# Altium PCB DIOT_Backplane.pcbdoc (part 3 of 11) (continued)
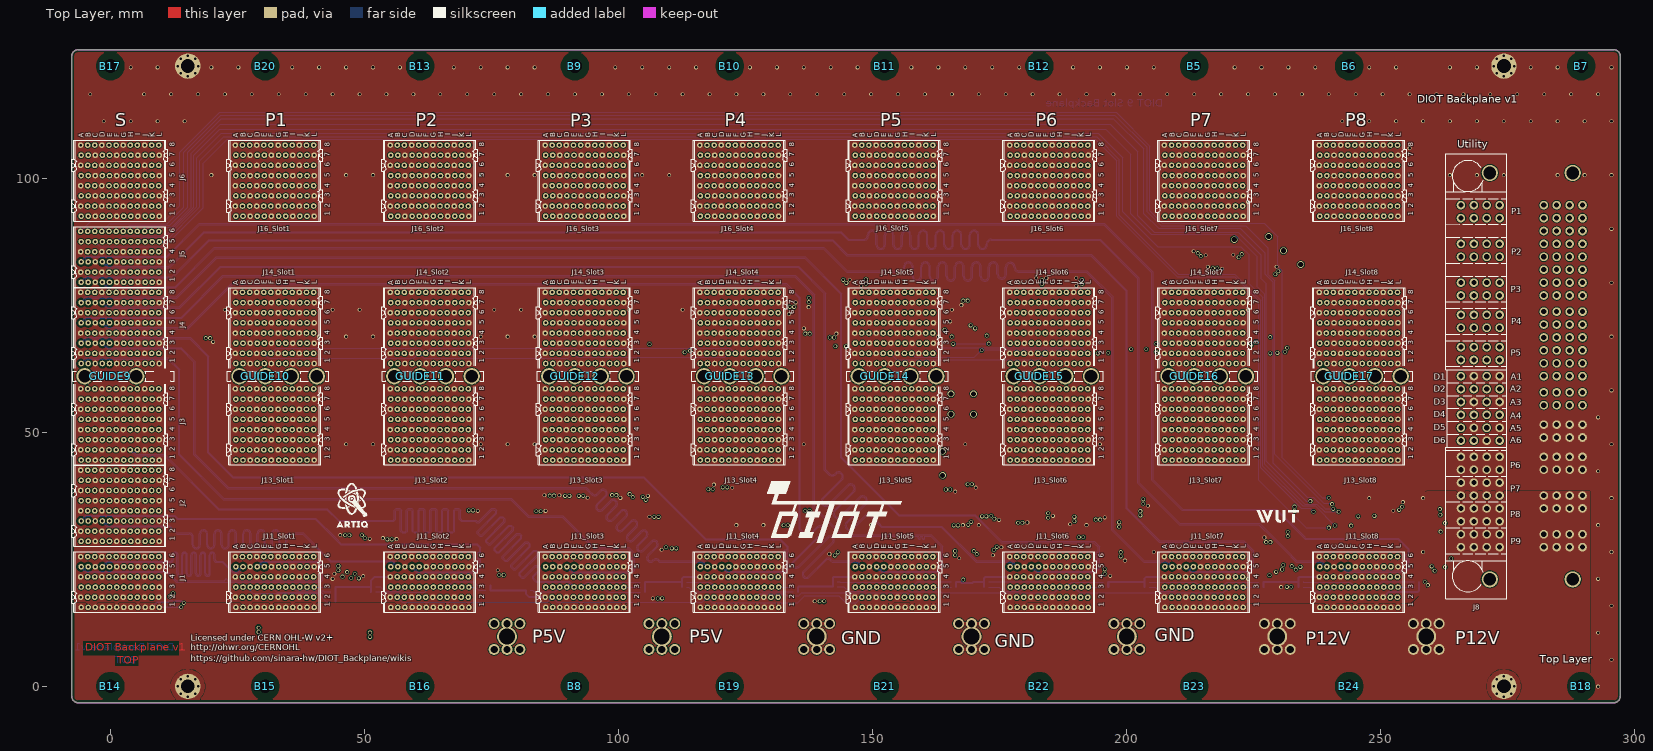
[diagram p0: Top Layer view]
## Nets (pads, with @x,y where several pads share a name; then routed paths per layer and width w, separated by ;. In a path a pad name is that pad's centre, name@x,y a point inside that pad or via, vN(x,y) a via of type N, cw(c..) or ccw(c..) an arc to the next point about the centre after c; other vN are vias at no path point) (continued)
2_DIFF_11_P: J6.B2 J16_Slot2.D1 | length 99.4
  L10 w0.102: J6.B2@-4.48,94.55 -3.895,93.965 -3.895,93.76 -3.541,93.407 18.524,93.407 20.531,95.414 40.988,95.414 41.976,95.414 42.326,95.764 42.326,96.056 42.542,96.272 42.974,96.272 43.19,96.056 43.19,92.287 43.54,91.937 44.162,91.937 44.512,92.287 44.512,96.056 44.728,96.272 45.16,96.272 45.376,96.056 45.376,92.287 45.726,91.937 46.348,91.937 46.698,92.287 46.698,96.056 46.914,96.272 47.346,96.272 47.562,96.056 47.562,92.287 47.912,91.937 48.534,91.937 48.884,92.287 48.884,96.056 49.1,96.272 49.532,96.272 49.748,96.056 49.748,92.287 50.098,91.937 50.72,91.937 51.07,92.287 51.07,95.198 51.286,95.414 51.404,95.414 51.876,95.414 52.24,95.05 52.402,94.888 53.871,93.419 59.79,93.419 59.966,93.243 59.966,93.136 J16_Slot2.D1@59.38,92.55
2_DIFF_12_N: J6.F2 J16_Slot2.B1 | length 97.2
  L4 w0.102: J6.F2@1.12,94.55 0.534,93.965 0.534,93.842 0.652,93.725 18.718,93.725 20.674,95.68 40.521,95.68 40.9,95.68 41.25,95.33 41.25,92.208 41.466,91.992 41.898,91.992 42.114,92.208 42.114,95.878 42.464,96.228 43.086,96.228 43.436,95.878 43.436,92.208 43.652,91.992 44.084,91.992 44.3,92.208 44.3,95.878 44.65,96.228 45.272,96.228 45.622,95.878 45.622,92.208 45.838,91.992 46.27,91.992 46.486,92.208 46.486,95.878 46.836,96.228 47.458,96.228 47.808,95.878 47.808,92.208 48.024,91.992 48.456,91.992 48.672,92.208 48.672,95.878 49.022,96.228 49.644,96.228 49.994,95.878 49.994,92.208 50.21,91.992 50.642,91.992 50.858,92.208 50.858,95.33 51.208,95.68 51.421,95.68 51.934,95.68 53.991,93.623 55.752,93.623 55.995,93.381 55.995,93.136 J16_Slot2.B1@56.58,92.55
2_DIFF_12_P: J6.E2 J16_Slot2.A1 | length 97.2
  L4 w0.102: J6.E2@-0.28,94.55 0.306,93.965 0.306,93.747 0.557,93.496 18.813,93.496 20.768,95.451 40.521,95.451 40.805,95.451 41.021,95.235 41.021,92.113 41.371,91.763 41.993,91.763 42.343,92.113 42.343,95.783 42.559,95.999 42.991,95.999 43.207,95.783 43.207,92.113 43.557,91.763 44.179,91.763 44.529,92.113 44.529,95.783 44.745,95.999 45.177,95.999 45.393,95.783 45.393,92.113 45.743,91.763 46.365,91.763 46.715,92.113 46.715,95.783 46.931,95.999 47.363,95.999 47.579,95.783 47.579,92.113 47.929,91.763 48.551,91.763 48.901,92.113 48.901,95.783 49.117,95.999 49.549,95.999 49.765,95.783 49.765,92.113 50.115,91.763 50.737,91.763 51.087,92.113 51.087,95.235 51.303,95.451 51.421,95.451 51.839,95.451 53.896,93.394 55.657,93.394 55.766,93.286 55.766,93.136 J16_Slot2.A1@55.18,92.55
2_DIFF_13_N: J6.I2 J16_Slot2.K1 | length 97.2
  L12 w0.102: J6.I2@5.32,94.55 4.734,95.136 4.734,95.292 4.868,95.426 40.98,95.426 41.592,95.426 41.942,95.776 41.942,95.967 42.158,96.183 42.59,96.183 42.806,95.967 42.806,91.344 43.156,90.994 43.778,90.994 44.128,91.344 44.128,95.967 44.344,96.183 44.776,96.183 44.992,95.967 44.992,91.344 45.342,90.994 45.964,90.994 46.314,91.344 46.314,95.967 46.53,96.183 46.962,96.183 47.178,95.967 47.178,91.344 47.528,90.994 48.15,90.994 48.5,91.344 48.5,95.21 48.716,95.426 48.834,95.426 49.477,95.426 54.049,90.854 68.063,90.854 68.594,91.385 68.595,91.965 J16_Slot2.K1@69.18,92.55
2_DIFF_13_P: J6.H2 J16_Slot2.J1 | length 97.2
  L12 w0.102: J6.H2@3.92,94.55 4.506,95.136 4.506,95.387 4.773,95.655 40.98,95.655 41.497,95.655 41.713,95.871 41.713,96.062 42.063,96.412 42.685,96.412 43.035,96.062 43.035,91.439 43.251,91.223 43.683,91.223 43.899,91.439 43.899,96.062 44.249,96.412 44.871,96.412 45.221,96.062 45.221,91.439 45.437,91.223 45.869,91.223 46.085,91.439 46.085,96.062 46.435,96.412 47.057,96.412 47.407,96.062 47.407,91.439 47.623,91.223 48.055,91.223 48.271,91.439 48.271,95.305 48.621,95.655 48.834,95.655 49.572,95.655 54.144,91.083 67.968,91.083 68.365,91.48 68.365,91.964 J16_Slot2.J1@67.78,92.55
2_DIFF_14_N: J6.L2 J16_Slot2.H1 | length 97.8
  L8 w0.12: J6.L2@9.52,94.55 8.955,95.115 8.955,95.191 9.195,95.431 10.513,95.431 11.517,95.431 11.895,95.809 11.895,96.401 12.116,96.622 12.557,96.622 12.777,96.401 12.777,94.467 13.156,94.089 13.821,94.089 14.199,94.467 14.199,96.401 14.42,96.622 14.861,96.622 15.081,96.401 15.081,93.002 15.46,92.624 16.125,92.624 16.503,93.002 16.503,96.401 16.724,96.622 17.165,96.622 17.385,96.401 17.385,92.593 17.764,92.214 18.429,92.214 18.807,92.593 18.807,96.401 19.028,96.622 19.469,96.622 19.689,96.401 19.689,92.593 20.068,92.214 20.733,92.214 21.111,92.593 21.111,94.714 21.332,94.935 21.644,94.935 21.895,94.684 23.154,93.424 41.491,93.424 42.983,93.424 43.204,93.204 43.204,91.712 43.582,91.334 44.247,91.334 44.626,91.712 44.626,93.335 44.846,93.555 45.287,93.555 45.508,93.335 45.508,91.712 45.886,91.334 46.551,91.334 46.93,91.712 46.93,93.335 47.15,93.555 47.591,93.555 47.812,93.335 47.812,91.712 48.19,91.334 48.855,91.334 49.234,91.712 49.234,93.204 49.454,93.424 49.593,93.424 50.637,93.424 53.202,90.859 63.906,90.859 64.415,91.368 64.415,91.985 J16_Slot2.H1@64.98,92.55
2_DIFF_14_P: J6.K2 J16_Slot2.G1 | length 97.8
  L8 w0.12: J6.K2@8.12,94.55 8.685,95.115 8.685,95.303 9.083,95.701 10.513,95.701 11.405,95.701 11.625,95.921 11.625,96.513 12.004,96.892 12.669,96.892 13.047,96.513 13.047,94.579 13.268,94.359 13.709,94.359 13.929,94.579 13.929,96.513 14.308,96.892 14.973,96.892 15.351,96.513 15.351,93.114 15.572,92.894 16.013,92.894 16.233,93.114 16.233,96.513 16.612,96.892 17.277,96.892 17.655,96.513 17.655,92.705 17.876,92.484 18.317,92.484 18.537,92.705 18.537,96.513 18.916,96.892 19.581,96.892 19.959,96.513 19.959,92.705 20.18,92.484 20.621,92.484 20.841,92.705 20.841,94.826 21.22,95.205 21.755,95.205 21.895,95.066 23.266,93.694 41.491,93.694 43.095,93.694 43.474,93.316 43.474,91.824 43.694,91.604 44.135,91.604 44.356,91.824 44.356,93.447 44.734,93.825 45.399,93.825 45.778,93.447 45.778,91.824 45.998,91.604 46.439,91.604 46.66,91.824 46.66,93.447 47.038,93.825 47.703,93.825 48.082,93.447 48.082,91.824 48.302,91.604 48.743,91.604 48.964,91.824 48.964,93.316 49.342,93.694 49.593,93.694 50.749,93.694 53.314,91.129 63.794,91.129 64.145,91.48 64.145,91.985 J16_Slot2.G1@63.58,92.55
2_DIFF_15_N: J2.E5 J11_Slot2.F2 | length 100
  L8 w0.12: J2.E5@-0.18,36.55 -0.745,37.115 -0.745,37.339 -0.675,37.409 11.266,37.409 12.364,36.31 12.364,19.673 22.654,9.384 39.87,9.384 40.52,10.033 50.714,10.033 51.005,9.742 v1(51.099,9.742)
  L6 w0.102: v1(51.099,9.742) 51.139,9.742 51.45,10.054 52.421,10.054 53.411,11.044 53.411,11.75 53.411,11.963 53.061,12.313 51.341,12.313 51.125,12.529 51.125,12.961 51.341,13.177 55.347,13.177 55.697,13.527 55.697,14.149 55.347,14.499 53.627,14.499 53.411,14.715 53.411,14.977 53.411,15.661 54.161,16.41 61.158,16.41 61.494,16.747 61.494,17.226 61.819,17.55 J11_Slot2.F2@62.08,17.55
2_DIFF_15_P: J2.D5 J11_Slot2.E2 | length 100.1
  L8 w0.12: J2.D5@-1.58,36.55 -1.015,37.115 -1.015,37.451 -0.787,37.679 11.377,37.679 12.634,36.422 12.634,19.785 22.765,9.653 39.759,9.653 40.408,10.303 50.714,10.303 51.005,10.594 v1(51.099,10.594)
  L6 w0.102: v1(51.099,10.594) 51.139,10.594 51.45,10.282 52.326,10.282 53.182,11.139 53.182,11.75 53.182,11.868 52.966,12.084 51.246,12.084 50.896,12.434 50.896,13.056 51.246,13.406 55.252,13.406 55.468,13.622 55.468,14.054 55.252,14.27 53.532,14.27 53.182,14.62 53.182,14.977 53.182,15.755 54.066,16.639 61.063,16.639 61.266,16.842 61.266,17.226 60.941,17.55 J11_Slot2.E2@60.68,17.55
2_MGT_Rx_N: J2.E3 J11_Slot2.B5 | length 100.8
  Bottom Layer w0.15: J2.E3@-0.18,32.55 -0.197,32.55 -0.754,31.992 -0.754,31.801 -0.615,31.662 11.704,31.662 13.18,30.186 13.888,30.186 15.506,30.186 cw(c15.506,29.352) 16.341,29.352 16.341,27.874 ccw(c16.924,27.874) 17.507,27.874 17.507,30.012 cw(c18.341,30.012) 19.175,30.012 19.175,27.874 ccw(c19.758,27.874) 20.341,27.874 20.341,30.012 cw(c21.176,30.012) 22.01,30.012 22.01,27.874 ccw(c22.593,27.874) 23.176,27.874 23.176,30.012 cw(c24.01,30.012) 24.845,30.012 24.845,27.874 ccw(c25.428,27.874) 26.011,27.874 26.011,30.012 cw(c26.845,30.012) 27.679,30.012 27.679,27.874 ccw(c28.262,27.874) 28.845,27.874 28.845,30.012 cw(c29.68,30.012) 30.514,30.012 30.514,27.874 ccw(c31.097,27.874) 31.68,27.874 31.68,30.012 cw(c32.514,30.012) 33.349,30.012 33.349,28.431 ccw(c33.932,28.431) 34.514,28.431 34.514,29.352 cw(c35.349,29.352) 35.349,30.186 37.52,30.186 37.97,30.186 43.417,24.74 55.761,24.74 56.006,24.495 56.006,24.118 56.574,23.55 J11_Slot2.B5@56.58,23.55
2_MGT_Rx_P: J2.D3 J11_Slot2.A5 | length 100.8
  Bottom Layer w0.15: J2.D3@-1.58,32.55 -1.563,32.55 -1.006,31.992 -1.006,31.697 -0.793,31.484 -0.719,31.411 11.6,31.411 13.076,29.935 13.888,29.935 15.506,29.935 cw(c15.506,29.352) 16.089,29.352 16.089,27.874 ccw(c16.924,27.874) 17.758,27.874 17.758,30.012 cw(c18.341,30.012) 18.924,30.012 18.924,27.874 ccw(c19.758,27.874) 20.593,27.874 20.593,30.012 cw(c21.176,30.012) 21.759,30.012 21.759,27.874 ccw(c22.593,27.874) 23.427,27.874 23.427,30.012 cw(c24.01,30.012) 24.593,30.012 24.593,27.874 ccw(c25.428,27.874) 26.262,27.874 26.262,30.012 cw(c26.845,30.012) 27.428,30.012 27.428,27.874 ccw(c28.262,27.874) 29.097,27.874 29.097,30.012 cw(c29.68,30.012) 30.263,30.012 30.263,27.874 ccw(c31.097,27.874) 31.931,27.874 31.931,30.012 cw(c32.514,30.012) 33.097,30.012 33.097,28.431 ccw(c33.932,28.431) 34.766,28.431 34.766,29.352 cw(c35.349,29.352) 35.349,29.935 37.52,29.935 37.866,29.935 43.313,24.488 55.657,24.488 55.754,24.391 55.754,24.118 55.186,23.55 J11_Slot2.A5@55.18,23.55
2_MGT_Tx_N: J2.B3 J11_Slot2.E5 | length 100.8
  Bottom Layer w0.15: J2.B3@-4.38,32.55 -4.445,32.55 -4.954,33.059 -4.954,33.363 -4.866,33.45 12.56,33.45 13.129,32.881 40.33,32.881 44.318,28.894 45.359,27.852 72.156,27.852 72.689,27.319 72.689,27.001 72.689,26.522 cw(c72.487,26.522) 72.487,26.32 72.383,26.32 ccw(c72.383,26.118) 72.383,25.916 72.487,25.916 cw(c72.487,25.714) 72.487,25.512 72.45,25.512 ccw(c72.45,25.31) 72.45,25.108 72.487,25.108 cw(c72.487,24.906) 72.487,24.704 ccw(c72.487,24.503) 72.487,24.301 cw(c72.487,24.099) 72.689,24.099 72.689,23.6 72.689,23.356 71.927,22.594 60.396,22.594 60.206,22.785 60.206,22.976 J11_Slot2.E5@60.78,23.55
2_MGT_Tx_P: J2.A3 J11_Slot2.D5 | length 100.8
  Bottom Layer w0.15: J2.A3@-5.78,32.55 -5.715,32.55 -5.206,33.059 -5.206,33.467 -4.971,33.702 12.664,33.702 13.233,33.133 40.434,33.133 44.332,29.235 45.463,28.104 72.26,28.104 72.941,27.423 72.941,23.252 72.032,22.343 60.292,22.343 59.954,22.681 59.954,22.976 J11_Slot2.D5@59.38,23.55
2_SERVMOD: J5.F5 J11_Slot2.K2 | length 543.2
  L8 w0.102: v1(232.557,23.661) 232.557,25.328 241.604,34.376 v1(241.755,34.376)
  L12 w0.102: J11_Slot2.K2@69.08,17.55 69.08,17.54 70.073,16.546 71.115,16.546 71.445,16.216 71.445,4.611 73.629,2.427 84.145,2.427 88.082,6.364 100.246,6.364 103.169,3.44 116.095,3.44 118.689,6.034 126.537,6.034 129.077,3.494 144.978,3.494 147.848,6.364 156.154,6.364 159.151,3.367 176.296,3.367 179.395,6.465 192.549,6.465 195.93,3.084 202.255,3.084 206.954,7.783 221.917,7.783 225.242,4.459 233.167,4.459 235.376,6.669 235.376,13.933 234.716,14.593 234.716,20.56 232.557,22.719 v1(232.557,23.661)
  Bottom Layer w0.102: J5.F5@1.22,87.55 2.403,88.733 10.83,88.733 16.42,94.323 16.42,104.55 21.52,109.65 31.93,109.65 195.92,109.65 200.852,104.718 200.852,93.018 204.92,88.95 221.356,88.95 221.553,88.753 225.752,84.554 225.752,78.618 227.184,77.186 227.184,43.741 235.072,35.853 237.517,35.853 238.994,34.376 v1(241.755,34.376)
3_CLK_N: J5.H5 J11_Slot3.F4 | length 318
  L12 w0.102: J5.H5@4.02,87.55 3.434,86.964 3.434,86.831 3.564,86.702 13.96,86.702 15.99,84.672 104.636,84.672 109.342,79.966 109.342,76.9 109.342,76.734 ccw(c109.774,76.734) 109.774,76.302 111.585,76.302 cw(c111.585,75.641) 112.246,75.641 cw(c111.585,75.641) 111.585,74.98 107.6,74.98 ccw(c107.6,74.548) 107.168,74.548 ccw(c107.6,74.548) 107.6,74.116 111.585,74.116 cw(c111.585,73.455) 112.246,73.455 cw(c111.585,73.455) 111.585,72.794 107.6,72.794 ccw(c107.6,72.362) 107.168,72.362 ccw(c107.6,72.362) 107.6,71.93 111.585,71.93 cw(c111.585,71.269) 112.246,71.269 cw(c111.585,71.269) 111.585,70.608 107.6,70.608 ccw(c107.6,70.176) 107.168,70.176 ccw(c107.6,70.176) 107.6,69.744 111.585,69.744 cw(c111.585,69.083) 112.246,69.083 cw(c111.585,69.083) 111.585,68.422 107.6,68.422 ccw(c107.6,67.99) 107.168,67.99 ccw(c107.6,67.99) 107.6,67.558 111.585,67.558 cw(c111.585,66.897) 112.246,66.897 cw(c111.585,66.897) 111.585,66.236 107.6,66.236 ccw(c107.6,65.804) 107.168,65.804 ccw(c107.6,65.804) 107.6,65.372 111.585,65.372 cw(c111.585,64.711) 112.246,64.711 cw(c111.585,64.711) 111.585,64.05 107.6,64.05 ccw(c107.6,63.618) 107.168,63.618 ccw(c107.6,63.618) 107.6,63.186 111.585,63.186 cw(c111.585,62.525) 112.246,62.525 cw(c111.585,62.525) 111.585,61.864 107.6,61.864 ccw(c107.6,61.432) 107.168,61.432 ccw(c107.6,61.432) 107.6,61 111.585,61 cw(c111.585,60.339) 112.246,60.339 cw(c111.585,60.339) 111.585,59.678 107.6,59.678 ccw(c107.6,59.246) 107.168,59.246 ccw(c107.6,59.246) 107.6,58.814 111.585,58.814 cw(c111.585,58.153) 112.246,58.153 cw(c111.585,58.153) 111.585,57.492 107.6,57.492 ccw(c107.6,57.06) 107.168,57.06 ccw(c107.6,57.06) 107.6,56.628 111.585,56.628 cw(c111.585,55.967) 112.246,55.967 cw(c111.585,55.967) 111.585,55.306 107.6,55.306 ccw(c107.6,54.874) 107.168,54.874 ccw(c107.6,54.874) 107.6,54.442 111.585,54.442 cw(c111.585,53.781) 112.246,53.781 cw(c111.585,53.781) 111.585,53.12 107.6,53.12 ccw(c107.6,52.688) 107.168,52.688 ccw(c107.6,52.688) 107.6,52.256 111.585,52.256 cw(c111.585,51.595) 112.246,51.595 cw(c111.585,51.595) 111.585,50.934 107.6,50.934 ccw(c107.6,50.502) 107.168,50.502 ccw(c107.6,50.502) 107.6,50.07 111.585,50.07 cw(c111.585,49.409) 112.246,49.409 cw(c111.585,49.409) 111.585,48.748 107.6,48.748 ccw(c107.6,48.316) 107.168,48.316 ccw(c107.6,48.316) 107.6,47.884 111.585,47.884 cw(c111.585,47.223) 112.246,47.223 cw(c111.585,47.223) 111.585,46.562 107.6,46.562 ccw(c107.6,46.13) 107.168,46.13 ccw(c107.6,46.13) 107.6,45.698 111.585,45.698 cw(c111.585,45.037) 112.246,45.037 cw(c111.585,45.037) 111.585,44.376 108.207,44.376 ccw(c108.207,43.944) 107.775,43.944 ccw(c108.207,43.944) 108.207,43.512 108.681,43.512 cw(c108.681,42.851) 109.342,42.851 109.342,39.506 109.342,29.58 102.189,22.426 92.198,22.426 91.974,22.202 91.974,22.136 J11_Slot3.F4@92.56,21.55
3_CLK_P: J5.G5 J11_Slot3.E4 | length 318
  L12 w0.102: J5.G5@2.62,87.55 3.206,86.964 3.206,86.737 3.469,86.473 13.865,86.473 14.904,85.434 15.066,85.272 15.895,84.443 104.541,84.443 106.065,82.919 106.227,82.757 109.113,79.871 109.113,76.9 109.113,76.734 ccw(c109.774,76.734) 109.774,76.073 111.585,76.073 cw(c111.585,75.641) 112.017,75.641 cw(c111.585,75.641) 111.585,75.209 107.6,75.209 ccw(c107.6,74.548) 106.939,74.548 ccw(c107.6,74.548) 107.6,73.887 111.585,73.887 cw(c111.585,73.455) 112.017,73.455 cw(c111.585,73.455) 111.585,73.023 107.6,73.023 ccw(c107.6,72.362) 106.939,72.362 ccw(c107.6,72.362) 107.6,71.701 111.585,71.701 cw(c111.585,71.269) 112.017,71.269 cw(c111.585,71.269) 111.585,70.837 107.6,70.837 ccw(c107.6,70.176) 106.939,70.176 ccw(c107.6,70.176) 107.6,69.515 111.585,69.515 cw(c111.585,69.083) 112.017,69.083 cw(c111.585,69.083) 111.585,68.651 107.6,68.651 ccw(c107.6,67.99) 106.939,67.99 ccw(c107.6,67.99) 107.6,67.329 111.585,67.329 cw(c111.585,66.897) 112.017,66.897 cw(c111.585,66.897) 111.585,66.465 107.6,66.465 ccw(c107.6,65.804) 106.939,65.804 ccw(c107.6,65.804) 107.6,65.143 111.585,65.143 cw(c111.585,64.711) 112.017,64.711 cw(c111.585,64.711) 111.585,64.279 107.6,64.279 ccw(c107.6,63.618) 106.939,63.618 ccw(c107.6,63.618) 107.6,62.957 111.585,62.957 cw(c111.585,62.525) 112.017,62.525 cw(c111.585,62.525) 111.585,62.093 107.6,62.093 ccw(c107.6,61.432) 106.939,61.432 ccw(c107.6,61.432) 107.6,60.771 111.585,60.771 cw(c111.585,60.339) 112.017,60.339 cw(c111.585,60.339) 111.585,59.907 107.6,59.907 ccw(c107.6,59.246) 106.939,59.246 ccw(c107.6,59.246) 107.6,58.585 111.585,58.585 cw(c111.585,58.153) 112.017,58.153 cw(c111.585,58.153) 111.585,57.721 107.6,57.721 ccw(c107.6,57.06) 106.939,57.06 ccw(c107.6,57.06) 107.6,56.399 111.585,56.399 cw(c111.585,55.967) 112.017,55.967 cw(c111.585,55.967) 111.585,55.535 107.6,55.535 ccw(c107.6,54.874) 106.939,54.874 ccw(c107.6,54.874) 107.6,54.213 111.585,54.213 cw(c111.585,53.781) 112.017,53.781 cw(c111.585,53.781) 111.585,53.349 107.6,53.349 ccw(c107.6,52.688) 106.939,52.688 ccw(c107.6,52.688) 107.6,52.027 111.585,52.027 cw(c111.585,51.595) 112.017,51.595 cw(c111.585,51.595) 111.585,51.163 107.6,51.163 ccw(c107.6,50.502) 106.939,50.502 ccw(c107.6,50.502) 107.6,49.841 111.585,49.841 cw(c111.585,49.409) 112.017,49.409 cw(c111.585,49.409) 111.585,48.977 107.6,48.977 ccw(c107.6,48.316) 106.939,48.316 ccw(c107.6,48.316) 107.6,47.655 111.585,47.655 cw(c111.585,47.223) 112.017,47.223 cw(c111.585,47.223) 111.585,46.791 107.6,46.791 ccw(c107.6,46.13) 106.939,46.13 ccw(c107.6,46.13) 107.6,45.469 111.585,45.469 cw(c111.585,45.037) 112.017,45.037 cw(c111.585,45.037) 111.585,44.605 108.207,44.605 ccw(c108.207,43.944) 107.546,43.944 ccw(c108.207,43.944) 108.207,43.283 108.681,43.283 cw(c108.681,42.851) 109.113,42.851 109.113,39.506 109.113,29.675 102.094,22.655 92.103,22.655 91.746,22.297 91.746,22.136 J11_Slot3.E4@91.16,21.55
3_DIFF_0_N: J3.I2 J11_Slot3.E3 | length 212.4
  Bottom Layer w0.15: J3.I2@5.32,46.55 4.77,46 4.77,45.875 4.991,45.654 8.631,45.654 10.667,45.654 21.32,35.001 23.947,35.001 42.722,35.001 44.996,32.727 55.527,32.727 55.676,32.727 55.904,32.955 55.904,34.637 56.279,35.013 56.944,35.013 57.32,34.637 57.32,30.669 57.548,30.441 58.004,30.441 58.232,30.669 58.232,34.637 58.607,35.013 59.272,35.013 59.648,34.637 59.648,30.669 59.876,30.441 60.332,30.441 60.56,30.669 60.56,34.637 60.935,35.013 61.6,35.013 61.976,34.637 61.976,30.669 62.204,30.441 62.66,30.441 62.888,30.669 62.888,34.637 63.264,35.013 63.928,35.013 64.304,34.637 64.304,30.669 64.532,30.441 64.988,30.441 65.216,30.669 65.216,34.637 65.592,35.013 66.256,35.013 66.632,34.637 66.632,30.669 66.86,30.441 67.316,30.441 67.544,30.669 67.544,34.637 67.92,35.013 68.584,35.013 68.96,34.637 68.96,32.955 69.188,32.727 70.103,32.727 71.899,32.727 71.973,32.653 72.064,32.562 72.17,32.457 72.492,32.457 75.081,35.045 75.612,35.045 76.082,34.575 76.082,34.044 72.483,30.445 72.483,30.123 72.806,29.8 73.128,29.8 76.727,33.399 77.258,33.399 77.728,32.929 77.728,32.398 74.129,28.799 74.129,28.477 74.452,28.154 74.774,28.154 78.373,31.753 78.904,31.753 79.374,31.283 79.374,30.752 75.776,27.153 75.776,26.83 76.098,26.508 76.42,26.508 80.019,30.107 80.55,30.107 81.02,29.637 81.02,29.105 77.422,25.507 77.422,25.184 77.744,24.862 78.067,24.862 81.665,28.461 82.197,28.461 82.667,27.991 82.667,27.459 79.068,23.861 79.068,23.538 79.39,23.216 79.713,23.216 83.311,26.814 83.843,26.814 84.313,26.344 84.313,25.813 80.714,22.214 80.714,21.892 81.036,21.57 81.359,21.57 83.58,23.791 84.111,23.791 84.581,23.321 84.581,22.789 83.37,21.578 83.37,21.256 83.552,21.074 83.658,20.969 83.914,20.713 90.332,20.713 ; 90.359,20.686 90.72,20.325 90.72,20.09 J11_Slot3.E3@91.26,19.55
3_DIFF_0_P: J3.H2 J11_Slot3.D3 | length 212.6
  Bottom Layer w0.15: J3.H2@3.92,46.55 4.506,45.965 4.506,45.766 4.869,45.402 8.631,45.402 10.563,45.402 21.215,34.749 23.842,34.749 42.618,34.749 44.818,32.549 44.892,32.475 55.527,32.475 55.78,32.475 56.156,32.851 56.156,34.533 56.384,34.761 56.84,34.761 57.068,34.533 57.068,30.565 57.443,30.189 58.108,30.189 58.484,30.565 58.484,34.533 58.712,34.761 59.168,34.761 59.396,34.533 59.396,30.565 59.771,30.189 60.436,30.189 60.812,30.565 60.812,34.533 61.04,34.761 61.496,34.761 61.724,34.533 61.724,30.565 62.099,30.189 62.764,30.189 63.14,30.565 63.14,34.533 63.368,34.761 63.824,34.761 64.052,34.533 64.052,30.565 64.428,30.189 65.092,30.189 65.468,30.565 65.468,34.533 65.696,34.761 66.152,34.761 66.38,34.533 66.38,30.565 66.756,30.189 67.42,30.189 67.796,30.565 67.796,34.533 68.024,34.761 68.48,34.761 68.708,34.533 68.708,32.851 69.084,32.475 70.103,32.475 71.795,32.475 71.886,32.384 71.992,32.278 72.065,32.205 72.597,32.205 75.185,34.793 75.508,34.793 75.83,34.471 75.83,34.148 72.231,30.55 72.231,30.018 72.701,29.548 73.233,29.548 76.831,33.147 77.154,33.147 77.476,32.825 77.476,32.502 73.877,28.903 73.877,28.372 74.347,27.902 74.879,27.902 78.477,31.501 78.8,31.501 79.122,31.178 79.122,30.856 75.524,27.257 75.524,26.726 75.994,26.256 76.525,26.256 80.124,29.855 80.446,29.855 80.768,29.532 80.768,29.21 77.17,25.611 77.17,25.08 77.64,24.61 78.171,24.61 81.77,28.209 82.092,28.209 82.415,27.886 82.415,27.564 78.816,23.965 78.816,23.434 79.286,22.964 79.817,22.964 83.416,26.562 83.738,26.562 84.061,26.24 84.061,25.918 80.462,22.319 80.462,21.788 80.932,21.318 81.463,21.318 83.684,23.539 84.007,23.539 84.329,23.216 84.329,22.894 83.118,21.683 83.118,21.152 83.374,20.896 83.479,20.791 83.809,20.461 90.209,20.461 90.445,20.224 90.446,20.051 89.945,19.55 J11_Slot3.D3@89.86,19.55
3_DIFF_1_N: J3.L2 J11_Slot3.B3 | length 165.5
  L8 w0.12: J3.L2@9.52,46.55 8.963,45.993 8.963,45.894 9.169,45.688 9.951,45.688 10.454,45.688 15.86,40.282 15.86,20.542 20.279,16.123 22.768,13.633 40.669,13.633 43.063,13.633 43.442,13.255 43.442,11.568 43.662,11.347 44.103,11.347 44.324,11.568 44.324,13.74 44.702,14.118 45.367,14.118 45.746,13.74 45.746,11.568 45.966,11.347 46.407,11.347 46.628,11.568 46.628,13.74 47.006,14.118 47.671,14.118 48.05,13.74 48.05,11.568 48.27,11.347 48.711,11.347 48.932,11.568 48.932,13.74 49.31,14.118 49.975,14.118 50.354,13.74 50.354,11.819 50.574,11.599 51.015,11.599 51.236,11.819 51.236,13.74 51.615,14.118 52.279,14.118 52.658,13.74 52.658,11.568 52.878,11.347 53.319,11.347 53.54,11.568 53.54,13.74 53.919,14.118 54.583,14.118 54.962,13.74 54.962,11.568 55.182,11.347 55.623,11.347 55.844,11.568 55.844,13.74 56.223,14.118 56.887,14.118 57.266,13.74 57.266,11.568 57.486,11.347 57.927,11.347 58.148,11.568 58.148,13.74 58.527,14.118 59.191,14.118 59.57,13.74 59.57,11.568 59.79,11.347 60.231,11.347 60.452,11.568 60.452,13.74 60.831,14.118 61.495,14.118 61.874,13.74 61.874,11.568 62.094,11.347 62.535,11.347 62.756,11.568 62.756,13.74 63.135,14.118 63.799,14.118 64.178,13.74 64.178,11.568 64.398,11.347 64.839,11.347 65.06,11.568 65.06,13.74 65.439,14.118 66.103,14.118 66.482,13.74 66.482,11.568 66.702,11.347 67.143,11.347 67.364,11.568 67.364,13.74 67.743,14.118 68.407,14.118 68.786,13.74 68.786,11.568 69.006,11.347 69.447,11.347 69.668,11.568 69.668,13.255 70.047,13.633 70.297,13.633 71.526,13.633 73.589,15.697 73.589,18.18 76.103,20.695 84.761,20.695 86.207,20.695 86.495,20.407 86.495,20.115 J11_Slot3.B3@87.06,19.55
3_DIFF_1_P: J3.K2 J11_Slot3.A3 | length 165.5
  L8 w0.12: J3.K2@8.12,46.55 8.685,45.985 8.685,45.79 9.057,45.418 9.951,45.418 10.342,45.418 15.59,40.171 15.59,20.43 20.009,16.011 22.656,13.364 24.326,13.364 40.669,13.363 42.951,13.363 43.172,13.143 43.172,11.456 43.55,11.077 44.215,11.077 44.594,11.456 44.594,13.628 44.814,13.848 45.255,13.848 45.476,13.628 45.476,11.456 45.854,11.077 46.519,11.077 46.898,11.456 46.898,13.628 47.118,13.848 47.559,13.848 47.78,13.628 47.78,11.456 48.158,11.077 48.823,11.077 49.202,11.456 49.202,13.628 49.422,13.848 49.863,13.848 50.084,13.628 50.084,11.708 50.463,11.329 51.127,11.329 51.506,11.708 51.506,13.628 51.726,13.848 52.167,13.848 52.388,13.628 52.388,11.456 52.767,11.077 53.431,11.077 53.81,11.456 53.81,13.628 54.03,13.848 54.471,13.848 54.692,13.628 54.692,11.456 55.071,11.077 55.735,11.077 56.114,11.456 56.114,13.628 56.334,13.848 56.775,13.848 56.996,13.628 56.996,11.456 57.375,11.077 58.039,11.077 58.418,11.456 58.418,13.628 58.638,13.848 59.079,13.848 59.3,13.628 59.3,11.456 59.679,11.077 60.343,11.077 60.722,11.456 60.722,13.628 60.942,13.848 61.383,13.848 61.604,13.628 61.604,11.456 61.983,11.077 62.647,11.077 63.026,11.456 63.026,13.628 63.246,13.848 63.687,13.848 63.908,13.628 63.908,11.456 64.287,11.077 64.951,11.077 65.33,11.456 65.33,13.628 65.55,13.848 65.991,13.848 66.212,13.628 66.212,11.456 66.591,11.077 67.255,11.077 67.634,11.456 67.634,13.628 67.854,13.848 68.295,13.848 68.516,13.628 68.516,11.456 68.895,11.077 69.559,11.077 69.938,11.456 69.938,13.143 70.158,13.363 70.297,13.363 71.637,13.363 ; 71.637,13.364 73.859,15.585 73.859,18.069 76.215,20.425 84.761,20.425 86.095,20.425 86.225,20.295 86.225,20.115 J11_Slot3.A3@85.66,19.55
3_DIFF_2_N: J2.I8 J11_Slot3.C4 | length 165.6
  L2 w0.102: J2.I8@5.32,42.55 4.734,41.965 4.734,41.864 4.919,41.68 10.316,41.68 10.917,41.079 10.917,33.059 11.789,32.187 11.789,28.364 11.943,28.21 12.233,27.92 12.233,24.72 12.449,24.504 12.881,24.504 13.097,24.72 13.097,27.809 13.447,28.159 14.069,28.159 14.419,27.809 14.419,24.72 14.635,24.504 15.067,24.504 15.283,24.72 15.283,27.809 15.633,28.159 16.255,28.159 16.605,27.809 16.605,24.72 16.821,24.504 17.253,24.504 17.469,24.72 17.469,27.809 17.819,28.159 18.441,28.159 18.791,27.809 18.791,24.72 19.007,24.504 19.439,24.504 19.655,24.72 19.655,27.809 20.005,28.159 20.627,28.159 20.977,27.809 20.977,24.72 21.193,24.504 21.625,24.504 21.841,24.72 21.841,27.527 22.191,27.878 22.404,27.878 41.746,27.878 42.914,26.709 71.005,26.709 71.84,25.874 71.84,24.45 72.34,23.95 72.599,23.95 72.717,23.95 72.933,24.166 72.933,25.886 73.283,26.236 73.905,26.236 74.255,25.886 74.255,21.88 74.471,21.664 74.903,21.664 75.119,21.88 75.119,25.886 75.469,26.236 76.091,26.236 76.441,25.886 76.441,23.824 76.657,23.608 77.089,23.608 77.305,23.824 77.305,25.886 77.655,26.236 78.277,26.236 78.627,25.886 78.627,21.88 78.843,21.664 79.275,21.664 79.491,21.88 79.491,25.886 79.841,26.236 80.463,26.236 80.813,25.886 80.813,21.88 81.029,21.664 81.461,21.664 81.677,21.88 81.677,24.828 82.027,25.178 82.649,25.178 82.999,24.828 82.999,24.166 83.215,23.95 83.515,23.95 83.964,23.95 85.259,22.655 85.541,22.655 85.554,22.655 ccw(c85.66,23.55) 85.766,22.655 85.779,22.655 86.936,22.655 86.954,22.655 ccw(c87.06,23.55) 87.166,22.655 87.184,22.655 87.418,22.655 87.775,22.299 87.775,22.136 J11_Slot3.C4@88.36,21.55